# Altium PCB PCB2.PcbDoc (part 1 of 2)
Units mil, origin at the board's own origin, x right, y up, seen from the top; angles counter-clockwise.
Board outline 1760.05 x 1122.25 mil, 6 copper layers (Top Layer, Layer 1, Layer 4, Layer 2, Layer 3, Bottom Layer), stack 37.712 mil thick; 128 components, 84 nets, 425 pads, 324 vias.
Unrouted connection lines stored in the file: 20.
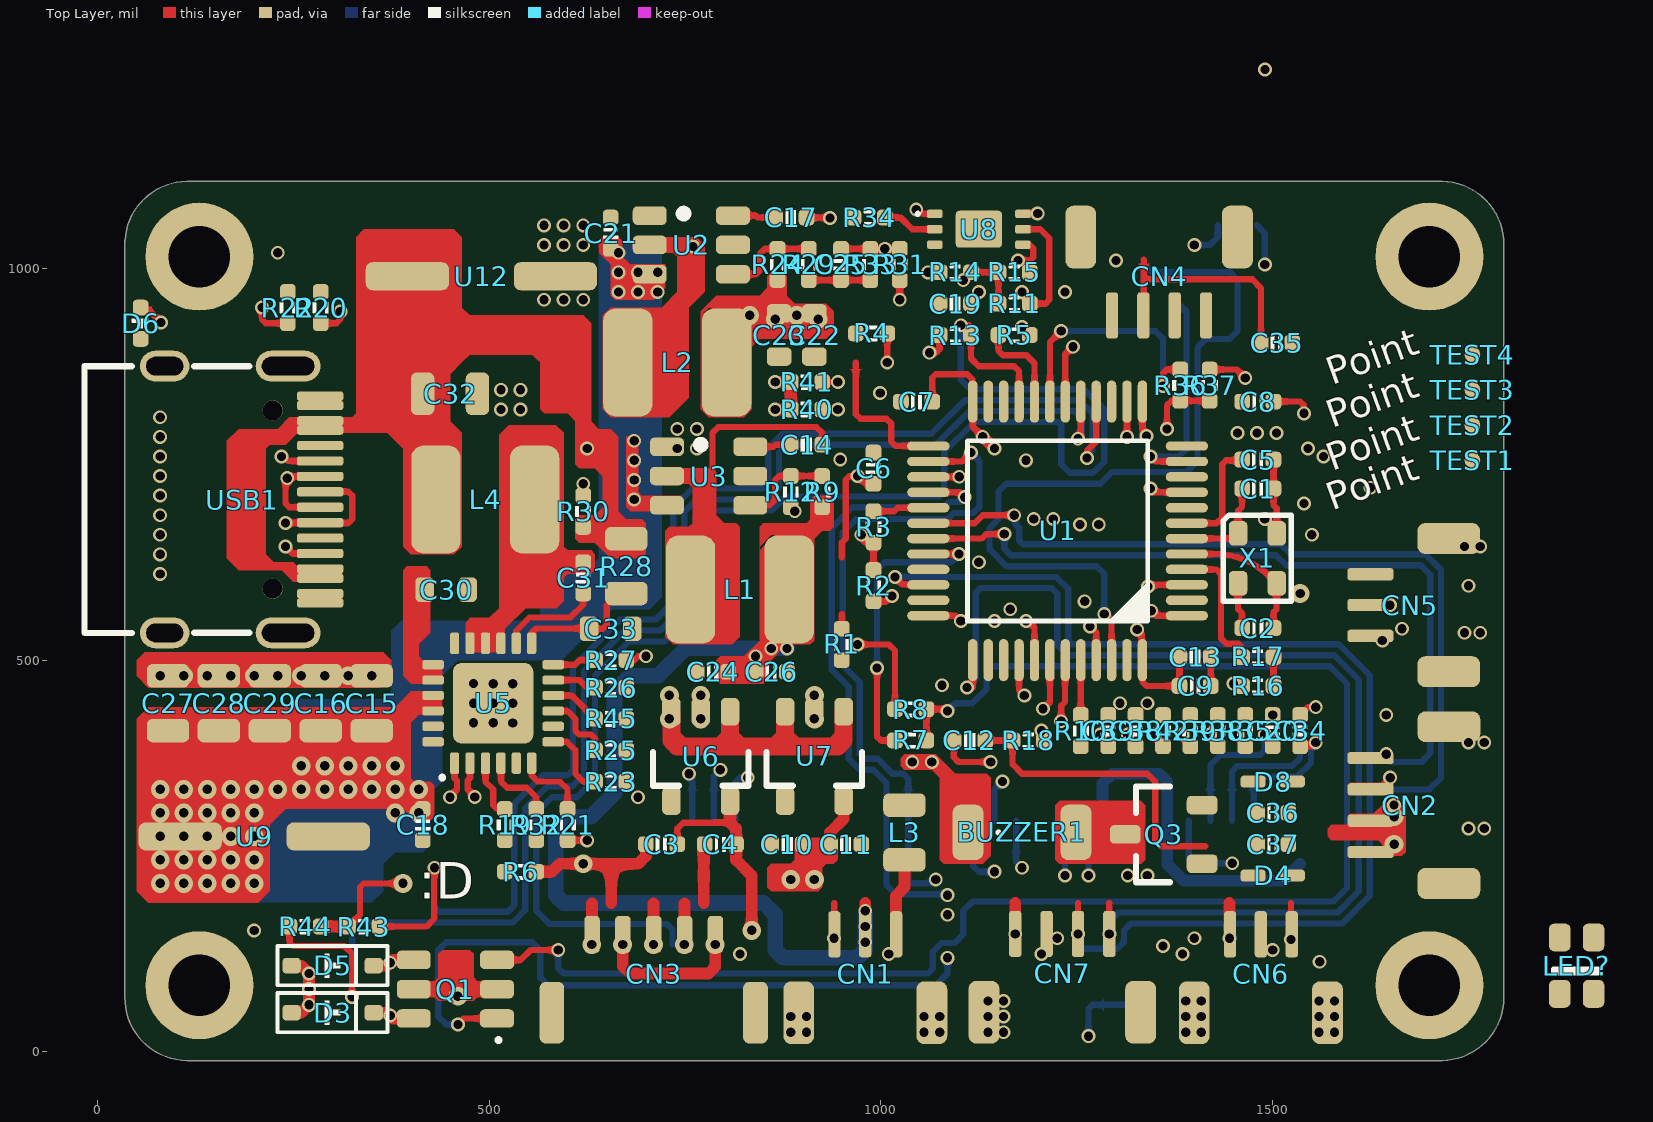
[diagram p0: Top Layer view]
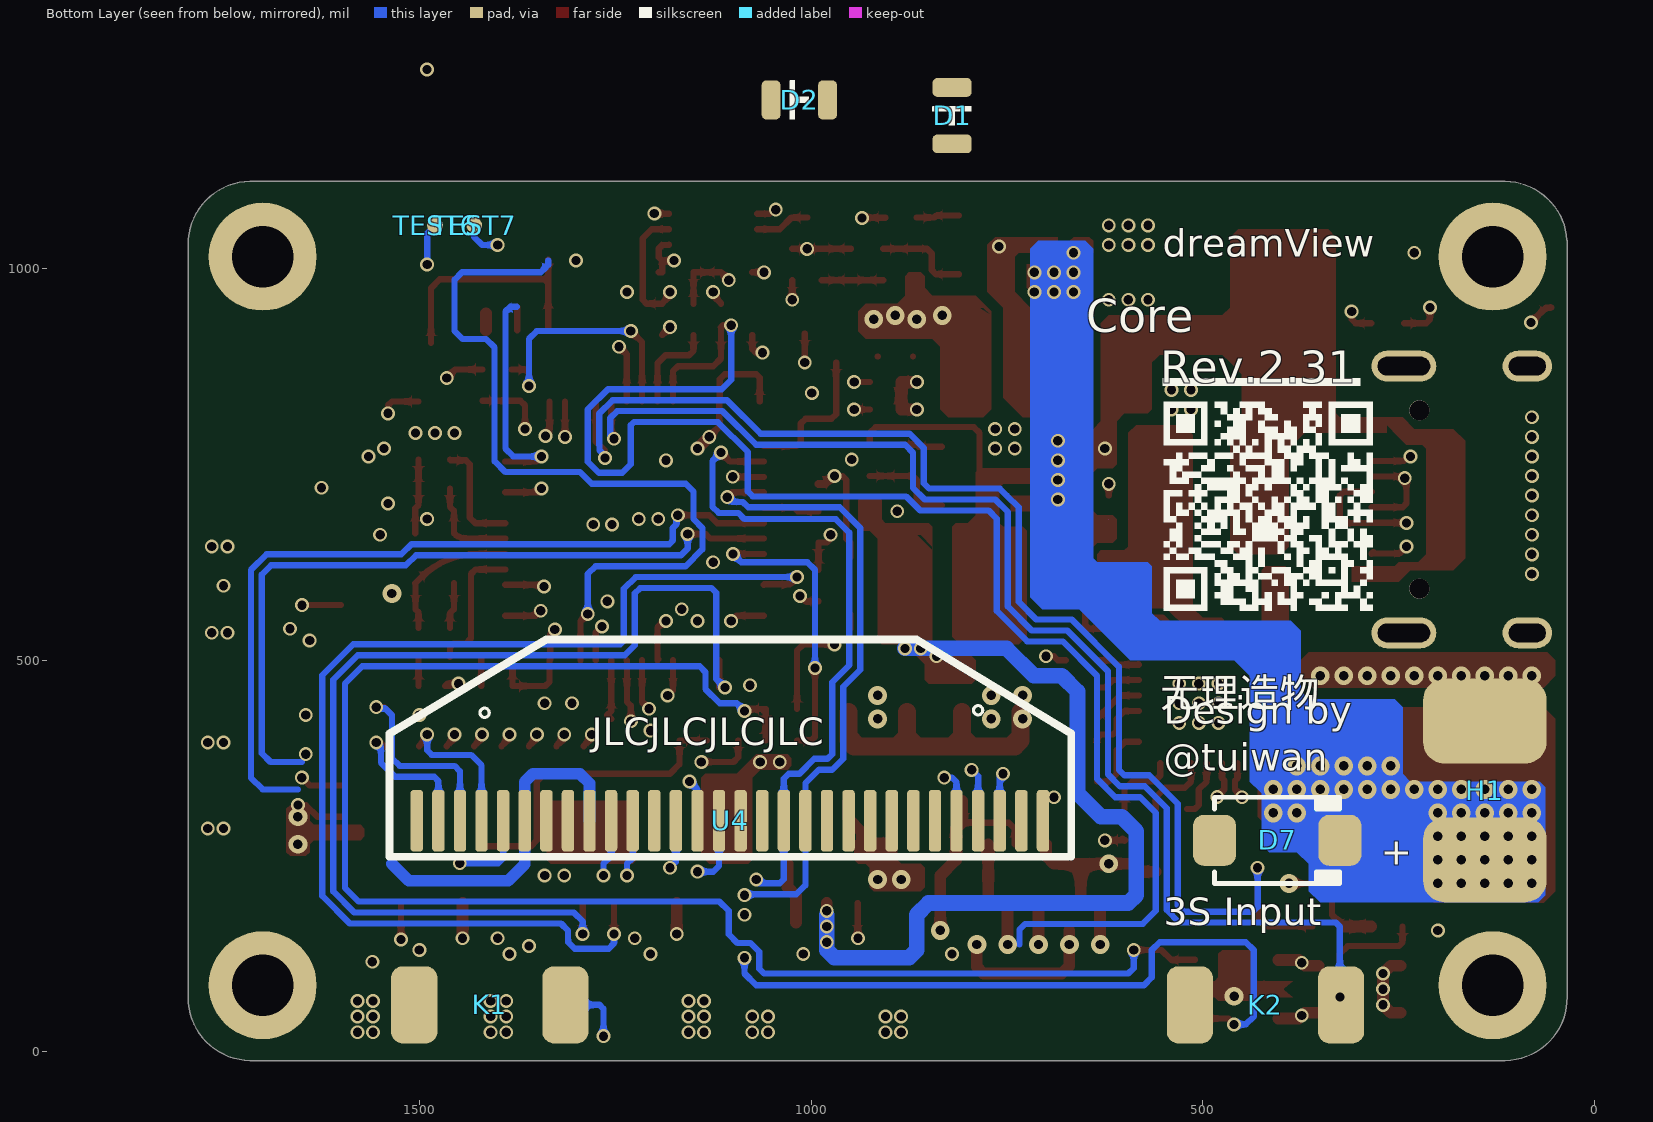
[diagram p1: Bottom Layer view, seen from below]
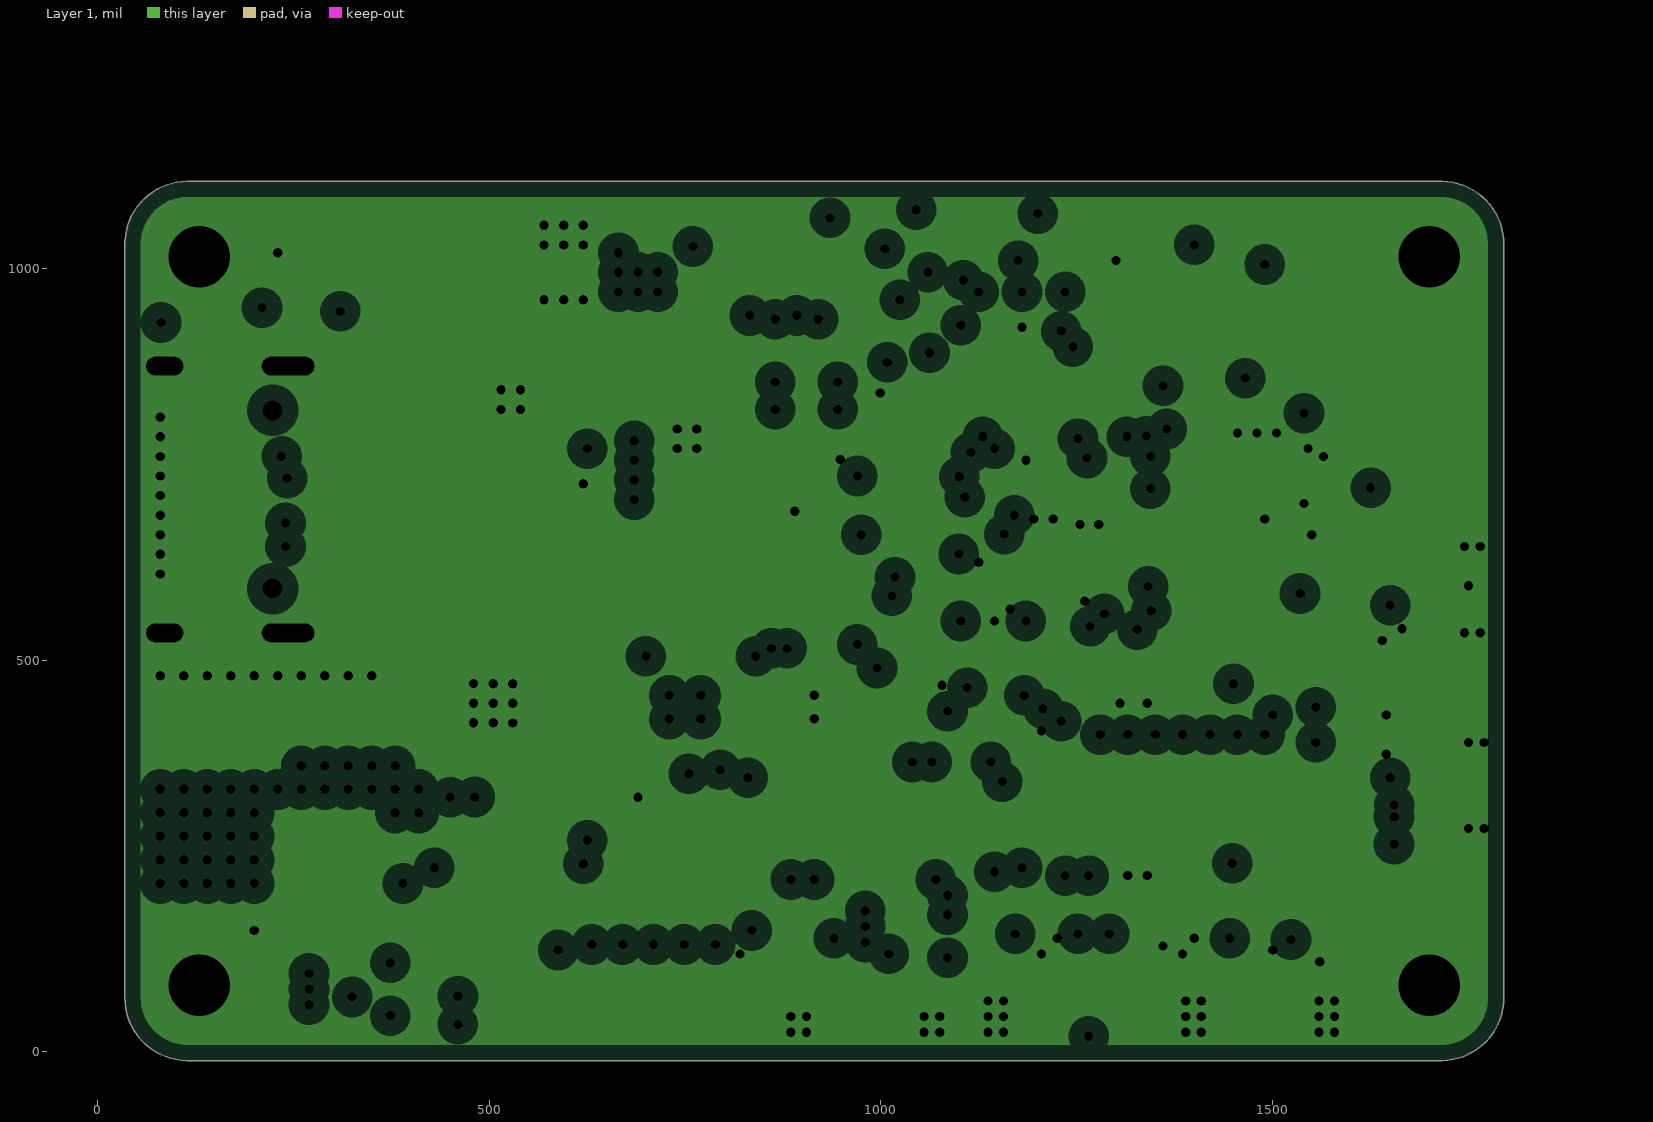
[diagram p2: Layer 1, clearances drawn from the general rule]
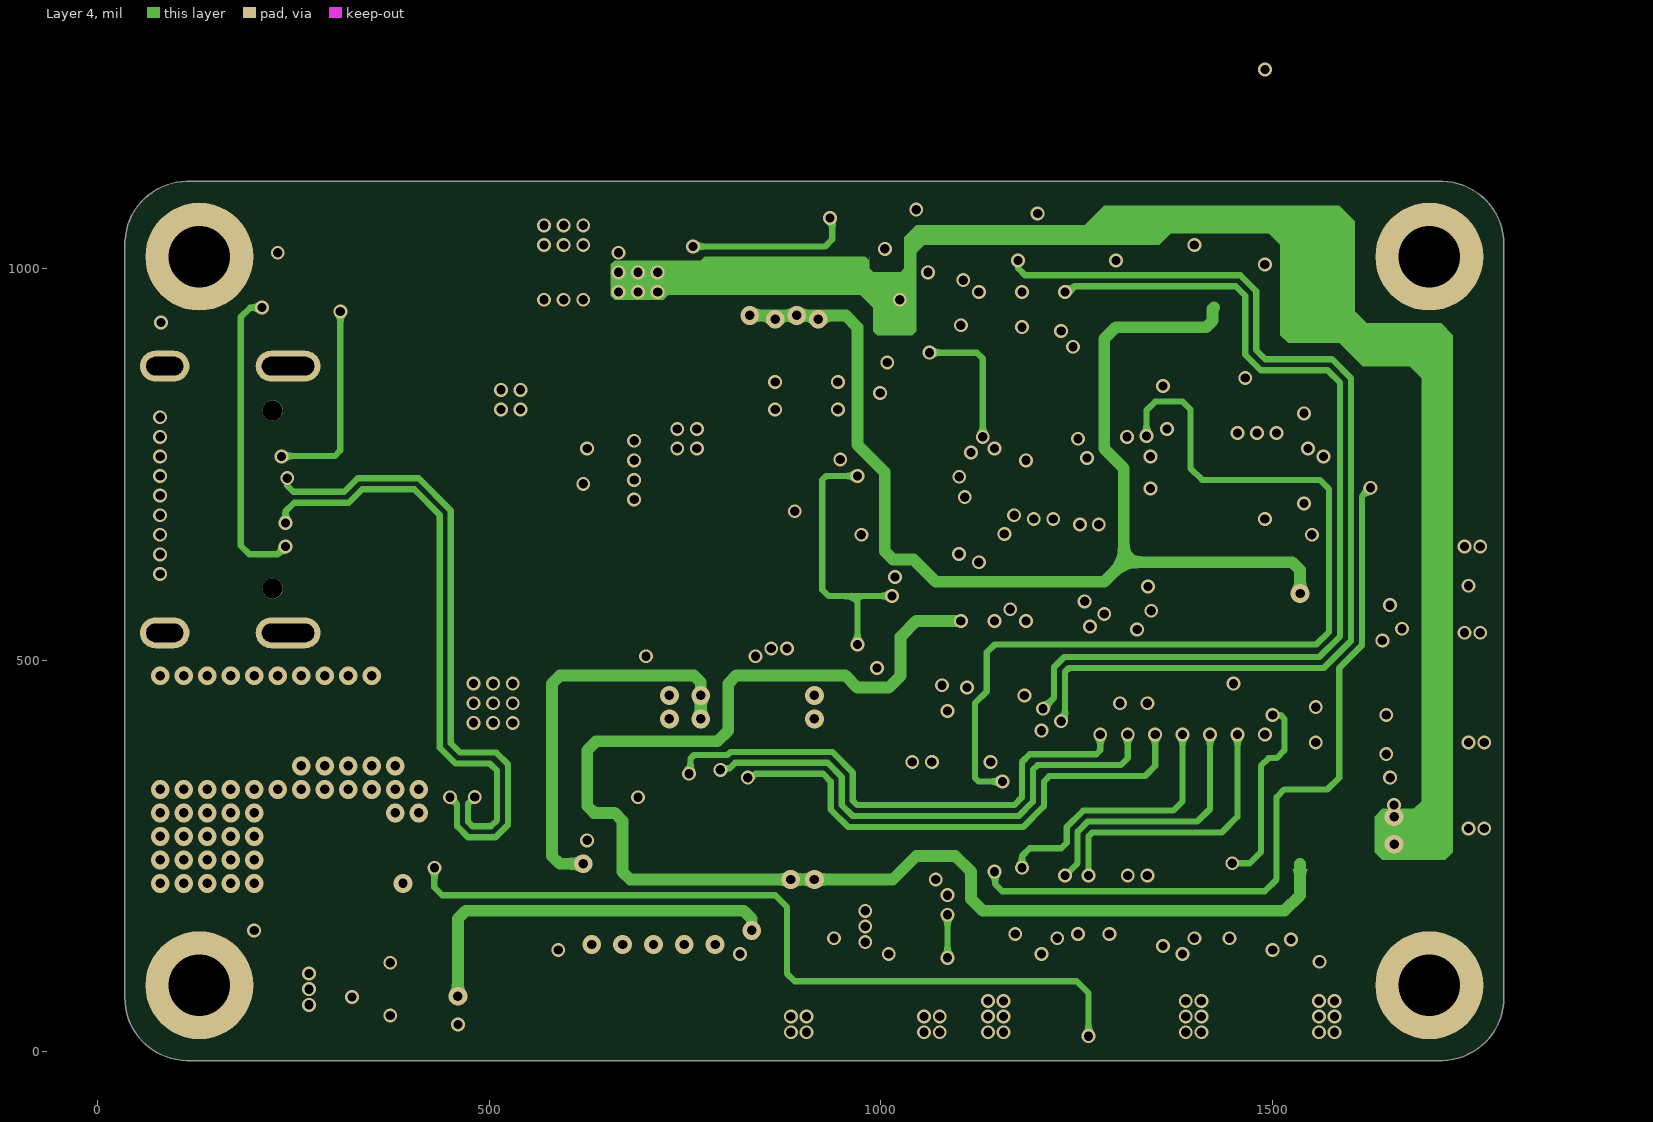
[diagram p3: Layer 4]
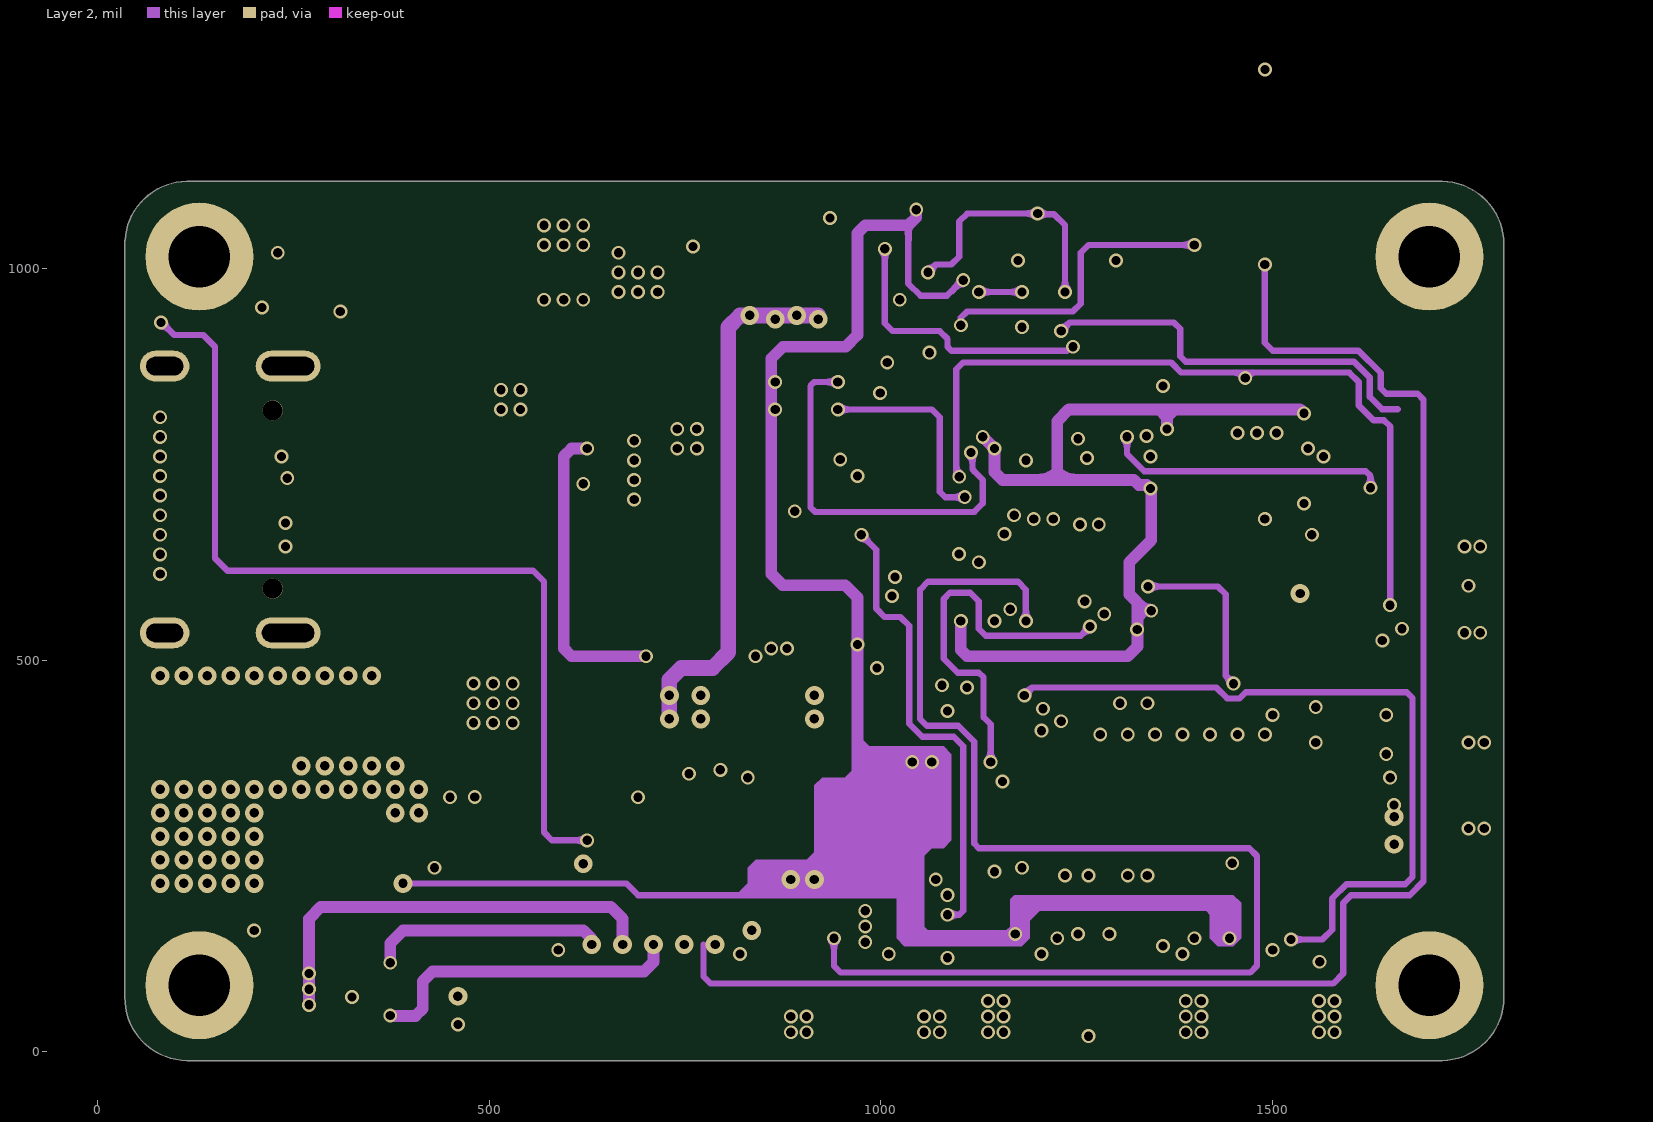
[diagram p4: Layer 2]
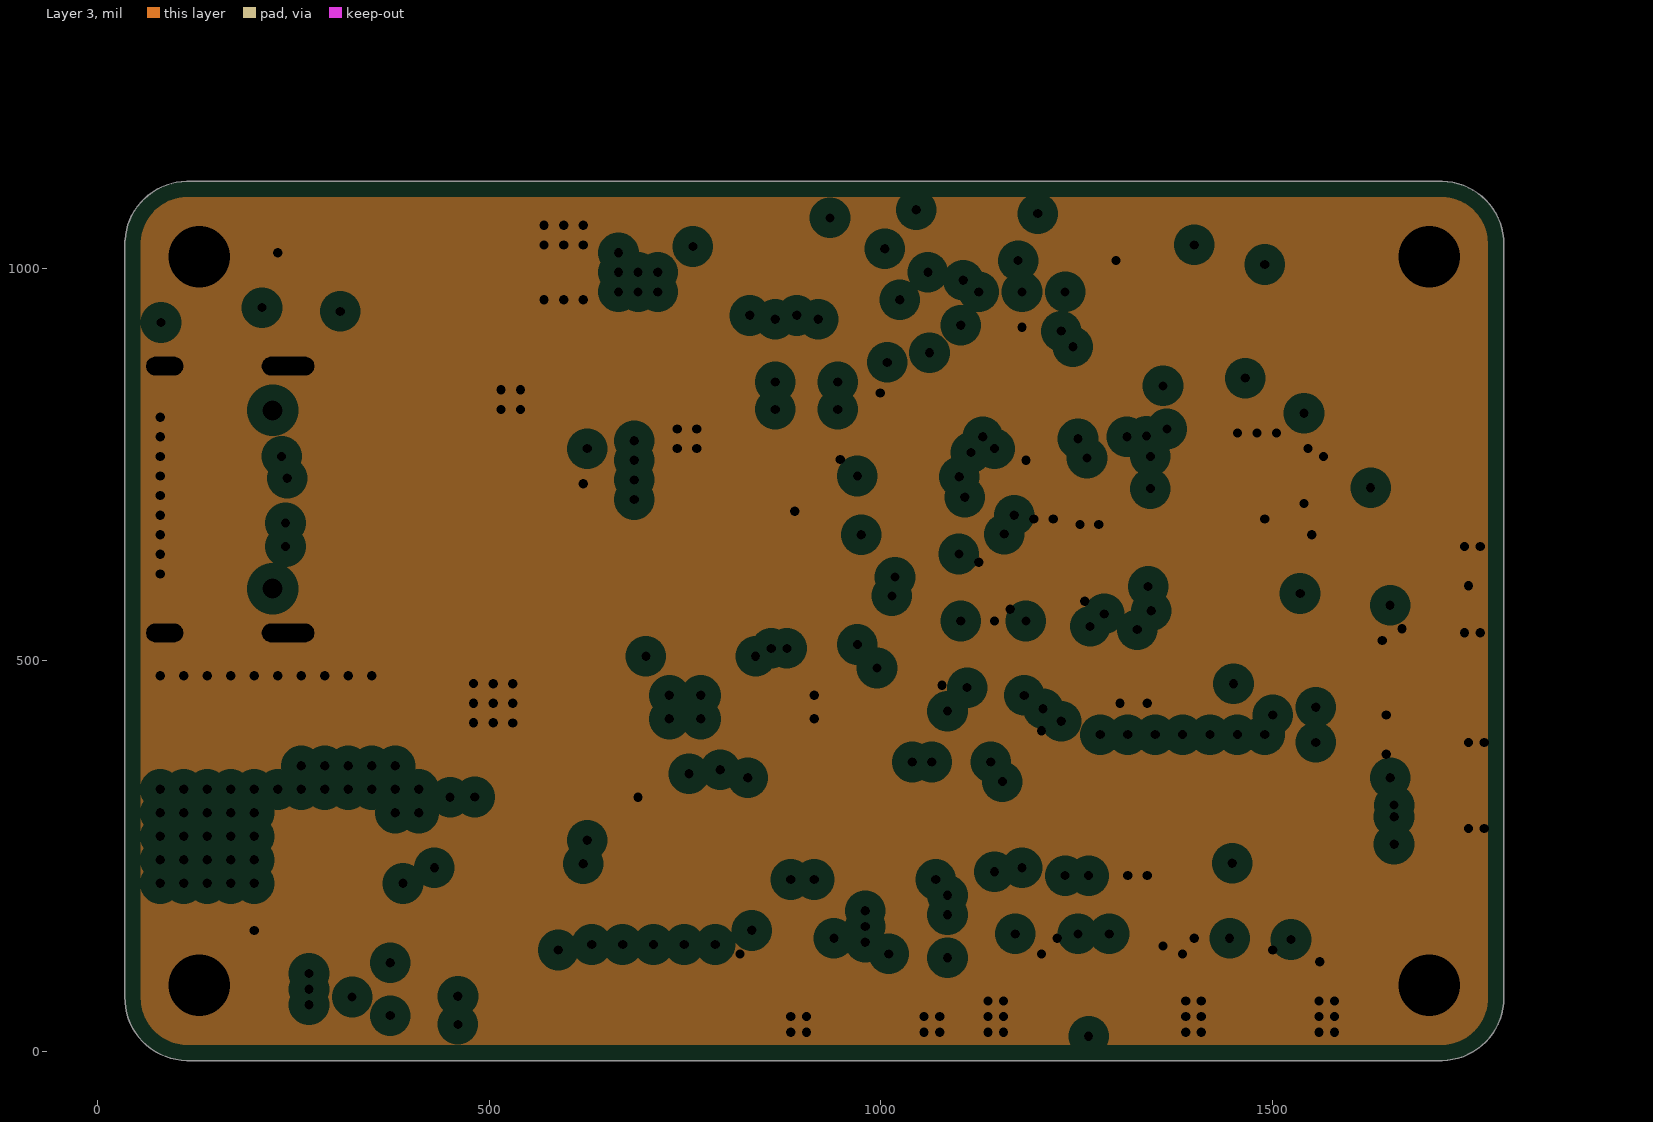
[diagram p5: Layer 3, clearances drawn from the general rule]
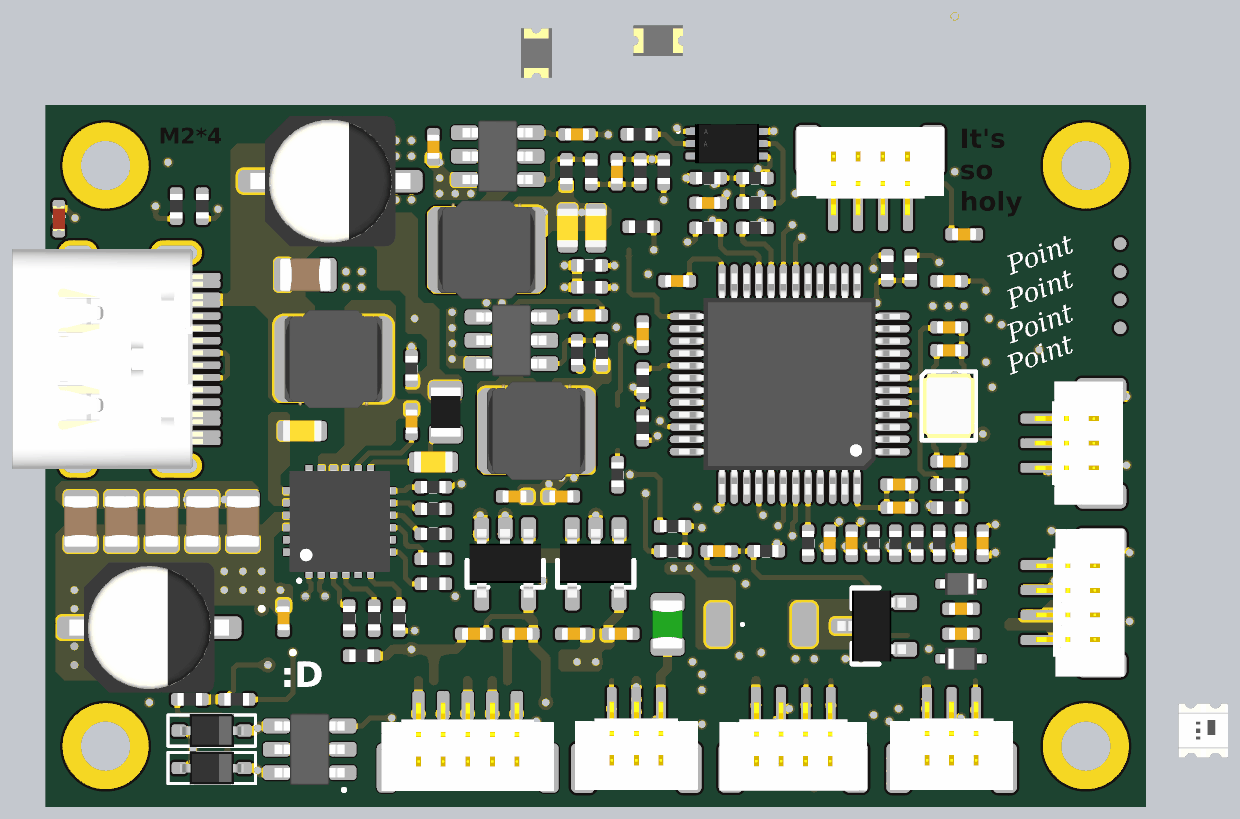
[diagram p7: 3D render of the assembled board from above, using the file's embedded part models]

## Layer stack, top to bottom
Top Solder: solder mask 0.4, Solder Resist, Dk 3.5
Top Layer: signal copper 1.4
Dielectric 6: prepreg 2.8, PP-006, Dk 4.1
Layer 1: plane copper 1.378, net GND
Dielectric 5: prepreg 2.8, PP-006, Dk 4.1
Layer 4: signal copper 1.378
Dielectric 2: prepreg 2.8, PP-006, Dk 4.1
Dielectric 1: dielectric 12.6, FR-4, Dk 4.8
Layer 2: signal copper 1.378
Dielectric 7: prepreg 2.8, PP-006, Dk 4.1
Layer 3: plane copper 1.378, net GND
Dielectric 4: prepreg 2.8, PP-006, Dk 4.1
Dielectric 3: prepreg 2.8, PP-006, Dk 4.1
Bottom Layer: signal copper 1.4
Bottom Solder: solder mask 0.4, Solder Resist, Dk 3.5

## Board outline
34.99,70.04 cw(c114.99,68.88) 34.99,70.07 34.99,70.04 ccw(c114.99,68.88) 113.8,-11.13 ccw(c113.87,-6.11) 113.87,-11.13 1716.11,-11.13 ccw(c1716.11,-6.11) 1716.12,-11.13 ccw(c1716.13,-6.11) 1716.2,-11.13 ccw(c1715.01,68.88) 1794.72,61.96 ccw(c1789.99,63.62) 1795.01,63.62 1795.01,67.24 ccw(c1715.01,68.88) 1795.02,68.88 ccw(c1715.01,68.88) 1795.01,70.07 ccw(c1790,70) 1795.01,70.29 1795.01,1029.71 ccw(c1790,1030) 1795.02,1030 1795.01,1029.93 ccw(c1715.01,1031.12) 1795.02,1031.12 ccw(c1715.01,1031.12) 1716.2,1111.13 ccw(c1716.13,1106.11) 1716.12,1111.13 ccw(c1716.11,1106.11) 1716.11,1111.13 cw(c1716.13,1106.11) 1716.12,1111.13 1716.11,1111.13 113.9,1111.13 ccw(c113.87,1106.11) 113.8,1111.13 ccw(c114.99,1031.12) 35.14,1036.24 ccw(c40,1035) 34.99,1035 34.99,1032.28 ccw(c114.99,1031.12) 34.99,1029.96
